# Altium PCB LimeSDR-X3_1v1.PcbDoc (part 19 of 25)
Units mm, origin at the board's own origin, x right, y up, seen from the top; angles counter-clockwise.
Board outline 232.5 x 111.15 mm, 12 copper layers (Top, L2, L3, L4, L5, L6, L7, L8, L9, L10, L11, Bottom), stack 1.596 mm thick; 2068 components, 1388 nets, 8930 pads, 3646 vias.
Unrouted connection lines stored in the file: 1.
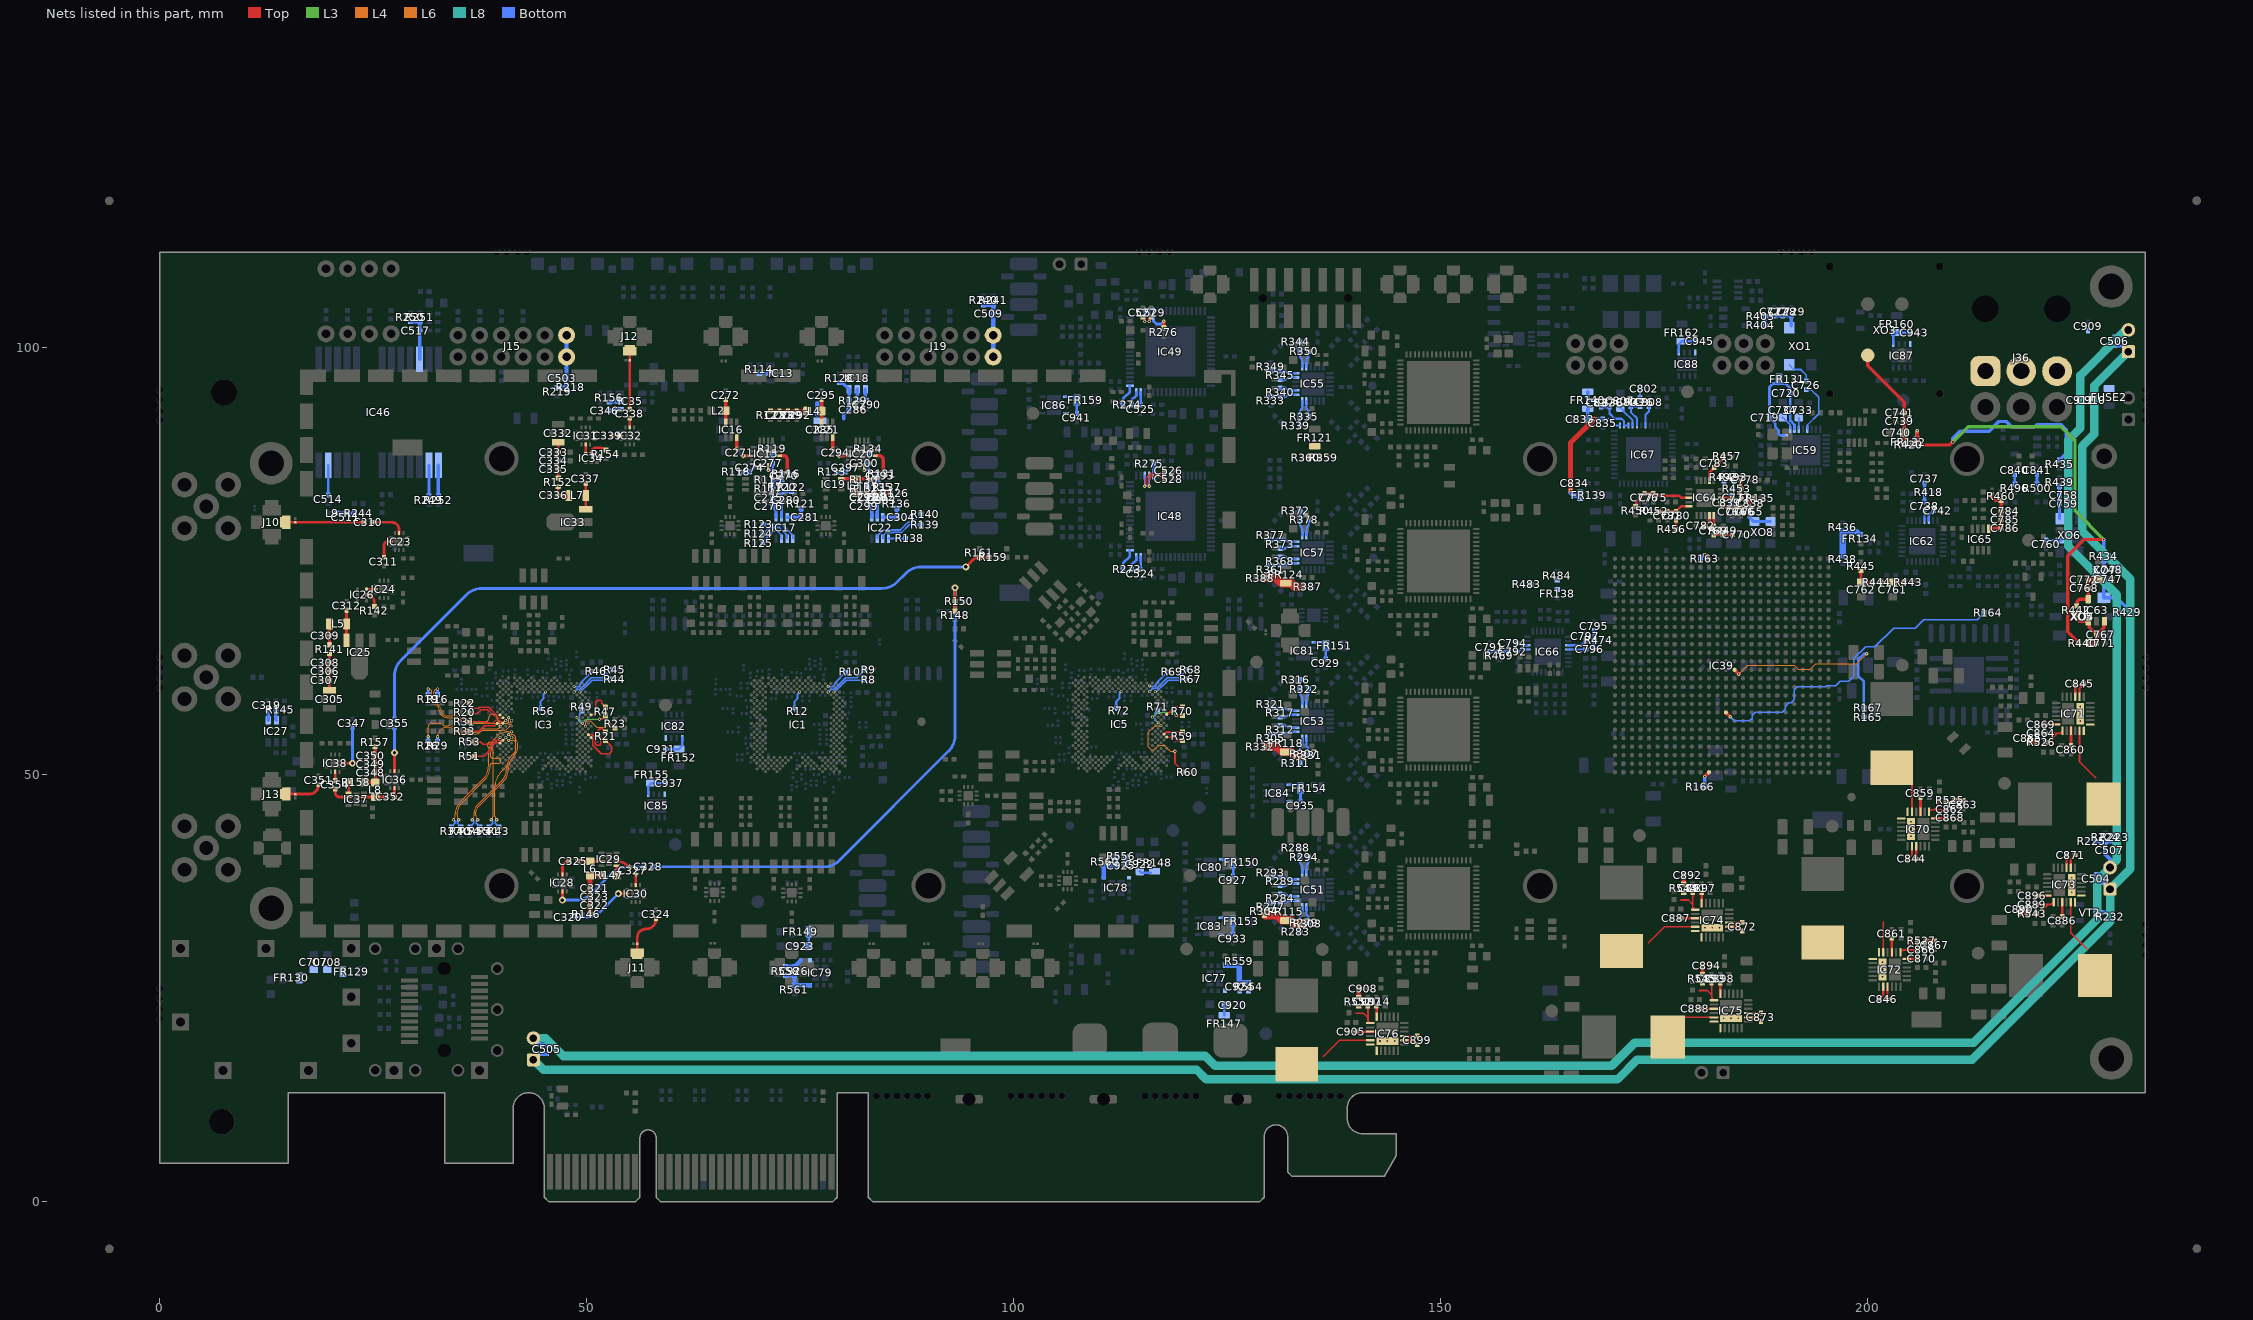
[diagram p29: the nets of this part, all layers, seen from the top]

## Via types
v1: diameter 0.4, hole 0.2, Top to Bottom, tented both sides, 3063 vias
v2: diameter 0.35, hole 0.2, Top to Bottom, tented both sides, 272 vias
v3: diameter 0.5, hole 0.2, Top to Bottom, tented bottom, 196 vias
v4: diameter 0.5, hole 0.2, Top to Bottom, tented both sides, 102 vias
v5: diameter 0.8, hole 0.4, Top to Bottom, tented both sides, 13 vias

## Nets (pads, with @x,y where several pads share a name; then routed paths per layer and width w, separated by ;. In a path a pad name is that pad's centre, name@x,y a point inside that pad or via, vN(x,y) a via of type N, cw(c..) or ccw(c..) an arc to the next point about the centre after c; other vN are vias at no path point) (continued)
NetC270_2: C270.2 IC15.10 | length 2.8
  Top w0.3: IC15.10@72.447,87.348 IC15.10@72.772,87.348
  Top w0.4: IC15.10@72.772,87.348 72.976,87.348 cw(c72.976,86.873) 73.451,86.873 C270.2@73.451,85.356
NetC271_1: C271.1 IC15.3 | length 1.2
  Top w0.3: IC15.3@69.172,87.348 IC15.3@69.497,87.348
  Top w0.4: C271.1@68.251,87.348 IC15.3@69.172,87.348
NetC271_2: C271.2 IC16.3 | length 1.4
  Top w0.4: C271.2@67.544,88.056 IC16.3@67.544,89.477
NetC272_1: C272.1 IC16.6 L2.2 | length 2.6
  Top w0.4: IC16.6@66.244,91.277 C272.1@66.244,93.907
NetC274_1: C274.1 IC15.5 R118.1 | length 2.5
  Top w0.3: v1(69.724,86.123) IC15.5@70.222,86.123
  Bottom w0.4: R118.1@67.998,85.45 C274.1@69.05,85.45 v1(69.724,86.123)
NetC275_2: C275.2 C276.1 IC17.1 R115.1 R116.1 R117.1 R120.1 | length 6.8
  Bottom w0.4: IC17.1@72.133,80.144 72.133,81.03 C276.1@71.759,81.404 C275.2@71.759,82.404 R117.1@71.759,83.454 R115.1@71.759,84.554 72.859,84.554 ; R120.1@72.859,84.154 72.859,84.554 ; R116.1@72.859,85.247 72.859,84.554
NetC277_1: C277.1 IC15.7 R119.1 | length 2.9
  Top w0.3: v1(71.222,85.625) IC15.7@71.222,86.123
  Bottom w0.3: v1(71.222,85.625) 71.5,85.625 71.725,85.85 C277.1@71.725,86.45 R119.1@71.725,87.65
NetC280_1: C280.1 IC17.2 R120.2 R122.2 | length 4.1
  Bottom w0.4: IC17.2@72.783,80.144 72.783,83.078 R120.2@72.859,83.154 R122.2@73.959,83.154
NetC281_1: C281.1 IC17.3 IC17.4 R121.2 | length 2.7
  Bottom w0.4: IC17.3@73.433,80.144 IC17.4@74.083,80.144 C281.1@75.07,80.144 R121.2@75.069,81.189
NetC282_2: C282.2 C288.2 C291.2 L3.1 R126.2 | length 4.3
  Top w0.4: L3.1@81.25,82.95 C291.2@82.475,82.95 C288.2@83.475,82.95 C282.2@84.475,82.95 R126.2@85.525,82.95
NetC283_2: C283.2 C289.2 C292.2 L4.1 R127.2 | length 4.3
  Top w0.4: R127.2@71.5,92.575 C283.2@72.55,92.575 C289.2@73.55,92.575 C292.2@74.55,92.575 L4.1@75.775,92.575
NetC285_1: C285.1 C286.2 IC18.6 R128.1 R129.1 | length 6.5
  Bottom w0.4: R128.1@79.55,95.9 79.9,95.9 IC18.6@80.7,95.1 R129.1@80.7,93.8 C286.2@80.7,92.75 80.087,92.137 80.087,91.675
  Bottom w0.5: 76.951,92.176 76.951,93.48
NetC290_1: C290.1 IC18.4 | length 1.4
  Bottom w0.4: IC18.4@82.6,95.1 82.6,93.95 C290.1@82.75,93.8
NetC293_1: C293.1 IC19.6 L3.2 | length 4.2
  Top w0.4: IC19.6@79.775,84.65 L3.2@81.25,84.65 C293.1@83.971,84.65
NetC293_2: C293.2 IC20.10 | length 2.8
  Top w0.3: IC20.10@83.675,87.35 IC20.10@84,87.35
  Top w0.4: IC20.10@84,87.35 84.204,87.35 cw(c84.204,86.875) 84.679,86.875 C293.2@84.679,85.357
NetC294_1: C294.1 IC20.3 | length 1.2
  Top w0.3: IC20.3@80.4,87.35 IC20.3@80.725,87.35
  Top w0.4: C294.1@79.479,87.35 IC20.3@80.4,87.35
NetC294_2: C294.2 IC21.3 | length 1.4
  Top w0.4: C294.2@78.775,88.054 IC21.3@78.775,89.475
NetC295_1: C295.1 IC21.6 L4.2 | length 2.6
  Top w0.4: IC21.6@77.475,91.275 C295.1@77.475,93.905
NetC297_1: C297.1 IC20.5 R133.1 | length 2.5
  Top w0.3: v1(80.951,86.125) IC20.5@81.45,86.125
  Bottom w0.4: R133.1@79.226,85.452 C297.1@80.278,85.452 v1(80.951,86.125)
NetC298_2: C298.2 C299.1 IC22.1 R130.1 R131.1 R132.1 R135.1 | length 6.6
  Bottom w0.4: IC22.1@83.36,80.144 83.36,81.03 C299.1@82.985,81.404 C298.2@82.985,82.404 R132.1@82.985,83.454 R130.1@82.985,84.554 83.882,84.554 84.085,84.351 R131.1@84.085,85.248
NetC300_1: C300.1 IC20.7 R134.1 | length 2.9
  Top w0.3: v1(82.45,85.627) IC20.7@82.45,86.125
  Bottom w0.3: v1(82.45,85.627) 82.728,85.627 82.953,85.852 C300.1@82.953,86.452 R134.1@82.953,87.652
NetC303_1: C303.1 IC22.2 R135.2 R137.2 | length 4.1
  Bottom w0.4: IC22.2@84.01,80.144 84.01,83.078 R135.2@84.085,83.154 R137.2@85.185,83.154
NetC304_1: C304.1 IC22.3 IC22.4 R136.2 | length 2.7
  Bottom w0.4: IC22.3@84.66,80.144 IC22.4@85.31,80.144 C304.1@86.296,80.144 R136.2@86.296,81.189
NetC305_3: C305.3 C306.1 C307.2 C308.1 R141.1 | length 4.3
  Top w0.4: C305.3@19.854,59.877 C307.2@19.854,61.052 C306.1@19.854,62.101 C308.1@19.854,63.102 R141.1@19.854,64.202
NetC309_1: C309.1 L5.1 R141.2 | length 2.5
  Top w0.4: R141.2@19.854,65.202 L5.1@19.854,67.652
NetC310_1: C310.1 IC23.5 | length 4.1
  Top w0.325: C310.1@24.897,79.548 27.108,79.548 cw(c27.108,78.651) 28.004,78.651 IC23.5@28.004,78.289 IC23.5@28.004,78.164
NetC310_2: C310.2 ESD10.1 J10.1 | length 9.2
  Top w0.325: J10.1@14.696,79.548 J10.1@14.771,79.548 ESD10.1@15.846,79.548 C310.2@23.897,79.548
NetC311_2: C311.2 IC23.8 | length 2.6
  Top w0.325: C311.2@26.229,75.414 26.229,76.827 cw(c26.691,76.827) 26.691,77.289 IC23.8@27.004,77.289 IC23.8@27.129,77.289
NetC312_2: C312.2 IC25.3 L5.2 | length 3.5
  Top w0.325: IC25.3@21.854,65.752 L5.2@21.854,67.652 C312.2@21.854,69.252
NetC319_1: C319.1 IC27.4 | length 1.4
  Bottom w0.4: C319.1@12.523,57.652 C319.1@12.523,57.602 12.675,57.45 IC27.4@12.675,56.362
NetC320_1: C320.1 IC30.8 | length 7.6
  Top w0.325: v5(53.684,36.069) IC30.8@54.709,36.069 IC30.8@54.834,36.069
  Bottom w0.325: C320.1@48.3,33.3 49.863,33.3 ccw(c49.863,35.84) 51.659,34.044 v5(53.684,36.069)
NetC321_1: C321.1 C322.2 C323.1 L6.1 R146.2 R147.2 | length 5.9
  Top w0.6: R146.2@50.377,33.632 50.377,34.682 50.377,35.682 50.377,36.682 L6.1@50.377,38.151 ; L6.1@50.377,38.201 R147.2@51.777,38.201
NetC324_2: C324.2 ESD11.1 J11.1 | length 5.4
  Top w0.325: J11.1@55.892,29.046 J11.1@55.892,29.121 ESD11.1@55.892,30.196 55.892,30.896 cw(c56.922,30.896) 56.922,31.925 ccw(c56.922,33.094) 58.091,33.094 C324.2@58.091,33.157
NetC325_1: C325.1 IC28.2 | length 2.1
  Top w0.325: IC28.2@47.127,38.201 IC28.2@47.127,38.326 47.127,39.101 cw(c47.877,39.101) C325.1@47.877,39.851
NetC325_2: C325.2 IC29.7 L6.2 | length 3.1
  Top w0.325: C325.2@48.877,39.851 L6.2@50.377,39.851 IC29.7@51.677,39.851 IC29.7@51.952,39.851
NetC327_1: C327.1 IC29.2 | length 1.8
  Top w0.325: IC29.2@53.477,39.851 cw(c53.477,37.98) 54.8,39.303 C327.1@55.002,39.101
NetC327_2: C327.2 IC30.5 | length 1.5
  Top w0.325: IC30.5@55.709,36.944 IC30.5@55.709,37.069 C327.2@55.709,38.394
NetC328_1: C328.1 R148.1 R150.2 | length 62.2
  Top w0.325: R148.1@93.1,69.175 v5(93.1,71.882)
  Bottom w0.325: C328.1@57.7,39.2 77.748,39.2 ccw(c77.748,41.74) 79.544,39.944 92.356,52.756 ccw(c90.56,54.552) 93.1,54.552 v5(93.1,71.882)
NetC328_2: C328.2 IC28.8 | length 12.1
  Top w0.325: v5(47.127,35.301) IC28.8@47.127,36.326 IC28.8@47.127,36.451
  Bottom w0.325: v5(47.127,35.301) 48.724,35.301 ccw(c48.724,37.841) 50.52,36.045 52.931,38.456 cw(c54.727,36.66) 54.727,39.2 C328.2@56.7,39.2
NetC332_3: C332.3 C333.2 C334.1 C335.1 R152.1 | length 4.2
  Top w0.325: R152.1@46.636,84.744 C332.3@46.636,88.919
NetC336_1: C336.1 L7.1 R152.2 | length 2.3
  Top w0.325: R152.2@46.636,83.745 C336.1@46.636,82.695 L7.1@47.861,82.695
NetC337_2: C337.2 IC33.3 L7.2 | length 3
  Top w0.325: IC33.3@49.861,81.07 L7.2@49.861,82.695 C337.2@49.861,84.119
NetC338_1: C338.1 IC32.5 | length 1.2
  Top w0.325: IC32.5@55.011,90.545 IC32.5@55.011,90.67 C338.1@55.011,91.745
NetC338_2: C338.2 ESD12.1 J12.1 | length 6.9
  Top w0.325: C338.2@55.021,92.744 ESD12.1@55.021,98.504 J12.1@55.021,99.579 J12.1@55.021,99.654
NetC339_2: C339.2 IC32.8 | length 1.2
  Top w0.325: C339.2@52.936,89.67 IC32.8@54.011,89.67 IC32.8@54.136,89.67
NetC346_1: C346.1 IC35.4 | length 1.4
  Bottom w0.4: C346.1@52.56,92.6 C346.1@52.61,92.6 52.762,92.752 IC35.4@53.85,92.752
NetC347_1: C347.1 IC38.8 | length 5.5
  Top w0.325: IC38.8@21.391,51.332 IC38.8@21.516,51.332 v5(22.541,51.332)
  Bottom w0.325: v5@22.491,51.452 ccw(c22.662,51.452) v5(22.541,51.332) 22.541,51.452 C347.1@22.541,55.525
NetC348_1: C348.1 C349.2 C350.1 L8.1 R157.2 R158.2 | length 5.6
  Top w0.4: R158.2@23.841,49.082 L8.1@25.191,49.082 C349.2@25.191,51.232 C350.1@25.191,52.232 R157.2@25.191,53.282
NetC351_2: C351.2 ESD13.1 J13.1 | length 4.4
  Top w0.325: J13.1@14.771,47.716 ESD13.1@15.846,47.716 17.466,47.716 ccw(c17.466,48.825) C351.2@18.575,48.825
NetC352_1: C352.1 IC36.2 | length 1.1
  Top w0.325: C352.1@27.466,47.382 IC36.2@27.466,48.407 IC36.2@27.466,48.532
NetC352_2: C352.2 IC37.7 L8.2 | length 2.9
  Top w0.325: IC37.7@23.616,47.382 IC37.7@23.891,47.382 L8.2@25.191,47.382 C352.2@26.466,47.382
NetC354_1: C354.1 IC37.2 | length 2.6
  Top w0.325: C354.1@20.516,48.307 20.516,47.882 ccw(c21.016,47.882) 21.016,47.382 IC37.2@22.091,47.382 IC37.2@22.366,47.382
NetC354_2: C354.2 IC38.5 | length 1.1
  Top w0.325: C354.2@20.516,49.307 IC38.5@20.516,50.332 IC38.5@20.516,50.457
NetC355_1: C355.1 R159.1 R161.2 | length 80.5
  Top w0.325: v5(94.375,74.325) 95.175,75.125 cw(c95.959,74.341) R161.2@95.959,75.45 R159.1@97.059,75.45
  Bottom w0.325: C355.1@27.466,56.525 27.466,61.589 cw(c30.006,61.589) 28.21,63.385 35.881,71.056 cw(c37.677,69.26) 37.677,71.8 84.523,71.8 ccw(c84.523,74.34) 86.319,72.544 87.356,73.581 cw(c89.152,71.785) 89.152,74.325 v5(94.375,74.325)
NetC355_2: C355.2 IC36.8 | length 5.2
  Top w0.325: IC36.8@27.466,50.282 IC36.8@27.466,50.407 v5(27.466,52.557)
  Bottom w0.325: v5(27.466,52.557) C355.2@27.466,55.525
NetC503_1: C503.1 J15.6 J15.12 R218.1 R219.2 | length 7.2
  Bottom w0.5: R219.2@46.511,95.35 R218.1@47.611,95.35 C503.1@47.611,96.4 J15.6@47.611,98.904 J15.12@47.611,101.446
NetC504_1: C504.1 C505.1 C506.1 C507.1 J16.2 J17.2 J18.2 R223.1 R224.1 R225.1 | length 278.2
  L8 w1: J16.2@43.725,19.145 45.155,19.145 47.25,17.05 122.4,17.05 123.55,15.9 170,15.9 172.7,18.6 212.375,18.6 226.825,33.05 226.825,37.595 J18.2@228.35,39.12 228.35,39.231 229.125,40.006 229.125,71.075 223.475,76.725 223.475,89.175 224.875,90.575 224.875,96.75 230.193,102.068 J17.2@230.5,102.068
  Bottom w0.5: J16.2@43.736,19.145 44.556,18.325 C505.1@45.314,18.325 ; R225.1@226.725,42.175 R224.1@227.825,42.175 ; C504.1@226.75,38.3 227.507,38.3 228.327,39.12 J18.2@228.35,39.12 228.35,40.125 227.828,40.647 227.828,41.125 C507.1@227.825,41.125 R224.1@227.825,42.175 ; C506.1@228.911,101.248 229.669,101.248 J17.2@230.489,102.068 ; R223.1@228.925,42.175 R224.1@227.825,42.175
NetC504_2: C504.2 C505.2 C506.2 J16.1 J17.1 J18.1 R232.2 VT2.D | length 275.2
  L8 w1: J16.1@43.725,16.605 44.88,15.45 121.375,15.45 122.525,14.3 170.663,14.3 172.963,16.6 212.2,16.6 228.35,32.75 J18.1@228.35,36.58 230.725,38.955 230.725,72.888 225.075,78.538 225.075,88.45 226.475,89.85 226.475,95.503 J17.1@230.5,99.528
  Bottom w0.5: J16.1@43.714,16.605 44.434,17.325 C505.2@45.314,17.325 ; C504.2@226.75,37.3 227.63,37.3 J18.1@228.35,36.58 R232.2@228.35,33.85 VT2.D@227.1,33.85 ; C506.2@228.911,100.248 229.791,100.248 J17.1@230.511,99.528
NetC509_1: C509.1 J19.6 J19.12 R240.1 R241.2 | length 7.2
  Bottom w0.5: R240.1@96.47,105.02 R241.2@97.57,105.02 C509.1@97.57,103.97 J19.12@97.57,101.446 J19.6@97.57,98.923
NetC511_2: C511.2 L9.2 R244.2 | length 2.1
  Bottom w0.4: L9.2@20.7,80.625 C511.2@21.725,80.625 R244.2@22.775,80.625
NetC514_2: C514.2 IC46.11 | length 3.5
  Bottom w0.325: C514.2@19.7,82.725 IC46.11@19.7,86.225
NetC517_1: C517.1 IC46.22 R250.1 R251.1 | length 5.5
  Bottom w0.4: R250.1@29.325,103.05 R251.1@30.425,103.05 30.425,98.65 IC46.22@30.4,98.625
NetC524_2: C524.2 IC48.16 | length 1.5
  Bottom w0.3: C524.2@114.827,74.027 IC48.16@114.828,75.503
NetC525_2: C525.2 IC49.16 | length 1.5
  Bottom w0.3: C525.2@114.827,93.302 IC49.16@114.828,94.778
NetC526_1: C526.1 IC48.37 | length 4.8
  Top w0.2: v1(115.328,83.778) 115.425,83.875 115.425,84.675 115.971,85.221 117.306,85.221 C526.1@117.65,85.564
  Bottom w0.254: v1(115.328,83.778) IC48.37@115.328,85.003
NetC527_1: C527.1 IC49.37 | length 1.9
  Top w0.25: C527.1@115.078,103.603 115.328,103.353 v1(115.328,103.053)
  Bottom w0.254: v1(115.328,103.053) IC49.37@115.328,104.278
NetC528_1: C528.1 IC48.38 | length 4.3
  Top w0.2: v1(115.828,83.778) 115.725,83.881 115.725,84.551 116.095,84.921 117.306,84.921 C528.1@117.65,84.577
  Bottom w0.254: v1(115.828,83.778) IC48.38@115.828,85.003
NetC529_1: C529.1 IC49.38 | length 1.9
  Top w0.25: v1(115.828,103.053) 115.828,103.353 C529.1@116.078,103.603
  Bottom w0.254: v1(115.828,103.053) IC49.38@115.828,104.278
NetC707_2: C707.2 C708.2 FR129.2 FR130.1
NetC719_2: C719.2 C720.2 FR131.2 IC59.16 IC59.18 | length 14.3
  Bottom w0.3: C719.2@188.475,91.8 188.475,95.375 188.9,95.8 190.325,95.8 190.925,95.2 C720.2@190.925,94.65 190.925,91.438 191.4,90.963 IC59.18@191.4,90.425 ; C719.2@188.625,91.65 189.125,91.15 189.125,90.75 189.55,90.325 189.55,89.901 189.726,89.725 IC59.16@190.2,89.725
NetC726_1: C726.1 IC59.21 | length 6.1
  Bottom w0.2: C726.1@192.775,95.1 193.3,95.1 194.225,94.175 194.225,92.25 192.918,90.943 192.918,90.443 IC59.21@192.9,90.425
NetC726_2: C726.2 XO1.3 | length 3.2
  Bottom w0.2: XO1.3@190.775,98 191.35,97.425 192.15,97.425 192.775,96.8 C726.2@192.775,96.1
NetC727_2: C727.2 C728.2 C729.1 R403.2 R404.1 XO1.4 | length 5.3
  Bottom w0.4: R404.1@187.975,102.6 R403.2@187.975,103.7 C727.2@189.025,103.7 C728.2@190.025,103.7 C729.1@191.025,103.7 XO1.4@191.025,102.55
NetC733_1: C733.1 IC59.19 | length 1.4
  Bottom w0.2: IC59.19@191.9,90.425 C733.1@191.9,91.825
NetC734_2: C734.2 IC59.17 | length 1.8
  Bottom w0.2: C734.2@190,91.825 190.043,91.825 190.9,90.968 IC59.17@190.9,90.425
NetC737_1: C737.1 C738.2 R418.2 | length 2.2
  Bottom w0.325: C738.2@206.625,81.95 C737.1@206.625,84.15
NetC738_1: C738.1 IC62.13 | length 1.2
  Bottom w0.25: IC62.13@206.625,79.75 C738.1@206.625,80.95
NetC739_2: C739.2 C740.2 C741.1 R420.2 XO3.4 | length 12.2
  Top w0.4: XO3.4@199.975,99.1 199.975,97.9 204.25,93.625 C741.1@204.25,92.35 C739.2@204.25,91.35 C740.2@204.25,90.05 R420.2@204.25,88.65
NetC742_2: C742.2 IC62.14 | length 1.4
  Bottom w0.25: IC62.14@207.125,79.75 207.125,80.35 207.5,80.725 207.5,80.775 207.625,80.9 C742.2@207.675,80.9
NetC747_2: C747.2 C748.2 R429.2 R434.1 XO4.5 XO5.4 | length 7.6
  Bottom w0.4: R434.1@227.626,75.046 C748.2@227.626,73.996 C747.2@227.626,72.849 XO5.4@227.626,70.7 229.15,70.7 R429.2@230.35,69.5
NetC758_2: C758.2 C759.2 R439.2 XO6.9 | length 3.8
  Bottom w0.4: XO6.9@222.436,79.96 C759.2@222.436,81.71 C758.2@222.436,82.71 R439.2@222.436,83.76
NetC760_2: C760.2 XO6.7 | length 1.7
  Bottom w0.325: C760.2@220.875,77.45 XO6.7@222.596,77.45
NetC761_1: C761.1 R443.2 R444.1 | length 2.7
  Top w0.325: R444.1@201.55,72.525 C761.1@202.9,72.525 R443.2@204.225,72.525
NetC762_1: C762.1 R444.2 R445.2 | length 2.7
  Top w0.325: R445.2@199.2,73.9 C762.1@199.2,72.525 R444.2@200.55,72.525
NetC764_2: C764.2 C765.1 C766.1 FR135.2 IC64.6 IC64.7 | length 5
  Top w0.3: IC64.7@182.85,81.9 IC64.6@182.85,81.4 184,81.4 C764.2@184.1,81.3 C766.1@185.1,81.3 C765.1@186.1,81.3 186.1,81.35 186.2,81.45 186.2,82.1 FR135.2@186.475,82.375
NetC767_2: C767.2 C771.2 IC63.1 IC63.3 R440.2 R442.2 | length 8
  Top w0.4: R442.2@224.402,68.777 224.502,68.677 224.502,68.202 224.767,67.937 IC63.1@225.8,67.937 225.9,67.837 225.9,67.254 226.677,66.477 226.677,66.427 226.727,66.377 C767.2@226.777,66.377 ; R440.2@225.727,65.377 C771.2@226.777,65.377 C767.2@226.777,66.377 ; IC63.3@227.7,67.937 227.616,67.853 227.616,67.216 226.877,66.477 226.877,66.427 226.827,66.377 C767.2@226.777,66.377
NetC768_2: C768.2 C772.2 IC63.5 R442.1 XO7.4 | length 5.5
  Top w0.4: R442.1@224.402,69.697 224.502,69.797 224.502,70.272 224.767,70.537 IC63.5@225.8,70.537 225.8,71.827 225.8,72.825 C772.2@225.802,72.827 XO7.4@227.027,72.827
NetC769_1: C769.1 IC64.5 | length 1.3
  Top w0.3: C769.1@181.95,79.075 IC64.5@181.95,80.35
NetC769_2: C769.2 C770.1 R449.2 | length 2.2
  Top w0.3: C769.2@181.95,78.075 C770.1@184.15,78.075
NetC775_2: C775.2 C776.1 IC64.18 R450.1 | length 7.4
  Top w0.3: R450.1@172.786,81.415 172.862,81.491 172.862,81.941 173.686,82.765 173.736,82.765 173.836,82.865 C776.1@173.836,82.915 C775.2@174.861,82.915 174.861,82.865 174.961,82.765 175.011,82.765 175.101,82.675 177.876,82.675 178.151,82.4 IC64.18@179.05,82.4
NetC777_1: C777.1 C778.2 R453.2 | length 2.2
  Top w0.325: C777.1@185.15,82.4 R453.2@185.15,83.45 ; R453.2@185.15,83.5 R453.2@185.15,83.45 ; C778.2@185.15,84.5 R453.2@185.15,83.45
NetC777_2: C777.2 IC64.8 | length 1.3
  Top w0.3: IC64.8@182.85,82.4 C777.2@184.15,82.4
NetC780_1: C780.1 R456.2 | length 1.1
  Top w0.3: R456.2@177.536,78.715 C780.1@177.536,79.815
NetC780_2: C780.2 C781.2 IC64.20 R452.1 | length 3.8
  Top w0.3: C780.2@177.536,80.815 177.536,80.865 177.636,80.965 177.686,80.965 178.121,81.4 IC64.20@179.05,81.4
  Top w0.325: R452.1@175.486,80.815 C781.2@176.536,80.815 C780.2@177.536,80.815
NetC782_1: C782.1 IC64.4 | length 1.5
  Top w0.3: C782.1@180.9,79.125 180.95,79.125 181.05,79.225 181.05,79.275 181.45,79.675 IC64.4@181.45,80.35
NetC783_2: C783.2 IC64.12 R457.2 | length 3.3
  Top w0.3: IC64.12@181.45,84.45 181.45,85.4 C783.2@181.85,85.8 ; C783.2@182,85.95 182,86 182.1,86.1 182.15,86.1 182.9,86.85 182.9,87.1 R457.2@183.05,87.25
NetC784_2: C784.2 C785.1 C786.1 FR136.1 IC65.1 R460.2 | length 6.5
  Top w0.3: FR136.1@214.525,82.925 214.525,82.45 214.875,82.1 R460.2@215.599,82.1
  Top w0.4: IC65.1@214.15,78.79 214.15,78.825 C786.1@215.599,78.825 C785.1@215.599,79.825 C784.2@215.599,80.825 R460.2@215.599,82.1
NetC791_1: C791.1 C792.2 R469.2 | length 2.2
  Bottom w0.325: C791.1@155.697,64.4 R469.2@156.8,64.4 C792.2@157.904,64.4
NetC792_1: C792.1 IC66.13 | length 1.3
  Bottom w0.25: C792.1@158.904,64.4 cw(c159.506,63.798) 159.506,64.65 IC66.13@160.1,64.65
NetC794_2: C794.2 IC66.14 | length 1.3
  Bottom w0.25: C794.2@158.904,65.4 ccw(c159.506,66.002) 159.506,65.15 IC66.14@160.1,65.15
NetC795_1: C795.1 C796.2 R474.2 | length 2.2
  Bottom w0.4: C796.2@167.95,64.65 R474.2@167.95,65.75 C795.1@167.95,66.85
NetC796_1: C796.1 IC66.28 | length 2
  Bottom w0.25: IC66.28@164.9,64.65 C796.1@166.95,64.65
NetC797_2: C797.2 IC66.27 | length 2.3
  Bottom w0.25: IC66.27@164.9,65.15 166.45,65.15 166.775,65.475 166.775,65.525 166.9,65.65 C797.2@166.95,65.65
NetC802_1: C802.1 R476.2 | length 1.1
  Bottom w0.25: R476.2@173.295,94.089 C802.1@173.295,95.189
NetC803_1: C803.1 IC67.41 R476.1 | length 3.6
  Bottom w0.25: IC67.41@172.95,90.875 172.95,91.724 172.235,92.439 C803.1@172.235,93.089 R476.1@173.295,93.089
NetC807_1: C807.1 IC67.40 | length 2.7
  Bottom w0.25: C807.1@170.985,92.939 171.035,92.939 171.36,92.614 171.36,92.564 172.45,91.474 IC67.40@172.45,90.875
NetC808_1: C808.1 IC67.43 | length 2.4
  Bottom w0.25: IC67.43@173.95,90.875 173.95,92.129 174.345,92.524 C808.1@174.345,93.089
NetC833_1: C833.1 C834.1 C835.2 FR139.2 FR140.1 IC67.37 | length 17.1
  Top w0.6: v1(165.185,83.3) 165.185,88.849 v1(167.975,91.639)
  Bottom w0.25: C835.2@168.935,91.639 169.71,91.639 170.474,90.875 IC67.37@170.95,90.875
  Bottom w0.4: FR140.1@167.185,92.839 167.185,91.639 v1(167.975,91.639) C835.2@168.935,91.639
  Bottom w0.6: C834.1@165.185,84.122 C834.1@165.185,84.114 v1(165.185,83.3) 165.185,83.065 165.536,82.714 FR139.2@166.31,82.714
NetC836_2: C836.2 C837.2 FR140.2 IC67.38 IC67.39 | length 7.6
  Bottom w0.25: C836.2@169.735,93.064 169.735,92.289 170.36,91.664 171.16,91.664 171.45,91.374 IC67.38@171.45,90.875 IC67.39@171.95,90.875
  Bottom w0.4: FR140.2@167.185,94.839 167.185,94.039 167.385,93.839 167.96,93.839 C837.2@168.735,93.064 C836.2@169.735,93.064
NetC838_2: C838.2 C839.2 FR141.2 XO8.1 XO8.6 | length 7.2
  Bottom w0.4: FR141.2@183.975,82.825 C839.2@183.975,81.825 184.475,81.325 186.075,81.325 186.225,81.175 186.225,80.04 186.625,79.64 XO8.6@186.725,79.64 XO8.1@188.575,79.64
NetC840_2: C840.2 R496.2 | length 1.1
  Bottom w0.325: R496.2@217.2,84.025 C840.2@217.2,85.125
NetC841_2: C841.2 R500.2 | length 1.1
  Bottom w0.325: R500.2@219.8,84.025 C841.2@219.8,85.125
NetC844_1: C844.1 IC70.15 | length 1.5
  Top w0.25: C844.1@205.65,40.125 IC70.15@205.65,41.625
NetC844_2: C844.2 IC70.5 IC70.6 IC70.7 IC70.14 IC70.26 L10.1 | length 8
  Top w0.2: L10.1@203.275,51.1 205.15,49.225 IC70.5@205.15,45.625
  Top w0.25: C844.2@204.65,40.125 205.15,40.625 IC70.14@205.15,41.625
  other v4: 205.05,42.775 205.05,43.625 205.05,44.475
NetC845_1: C845.1 IC71.15 | length 1.5
  Top w0.25: IC71.15@224.275,59.125 C845.1@224.275,60.625
NetC845_2: C845.2 IC71.5 IC71.6 IC71.7 IC71.14 IC71.26 L11.1 | length 8
  Top w0.2: IC71.5@224.775,55.125 224.775,51.525 226.65,49.65
  Top w0.25: IC71.14@224.775,59.125 224.775,60.125 C845.2@225.275,60.625
  other v4: 224.875,56.275 224.875,57.125 224.875,57.975
NetC846_1: C846.1 IC72.15 | length 1.5
  Top w0.25: C846.1@202.3,23.675 IC72.15@202.3,25.175
NetC846_2: C846.2 IC72.5 IC72.6 IC72.7 IC72.14 IC72.26 L12.1 | length 5.3
  Top w0.2: IC72.5@201.8,29.175 201.8,32.775
  Top w0.25: C846.2@201.3,23.675 201.8,24.175 IC72.14@201.8,25.175
  other v4: 201.7,26.325 201.7,27.175 201.7,28.025
NetC859_1: C859.1 IC70.3 | length 2.1
  Top w0.309: IC70.3@206.15,45.225 C859.1@206.15,47.325
NetC860_1: C860.1 IC71.3 | length 2.1
  Top w0.309: C860.1@223.775,53.425 IC71.3@223.775,55.525
NetC861_1: C861.1 IC72.3 | length 2.1